# Altium PCB shield_io.PcbDoc (part 1 of 2)
Units mm, origin at the board's own origin, x right, y up, seen from the top; angles counter-clockwise.
Board outline 138.02 x 100.02 mm, 2 copper layers (Top Layer, Bottom Layer), stack 1.569 mm thick; 188 components, 241 nets, 637 pads, 193 vias.
Unrouted connection lines stored in the file: 73.
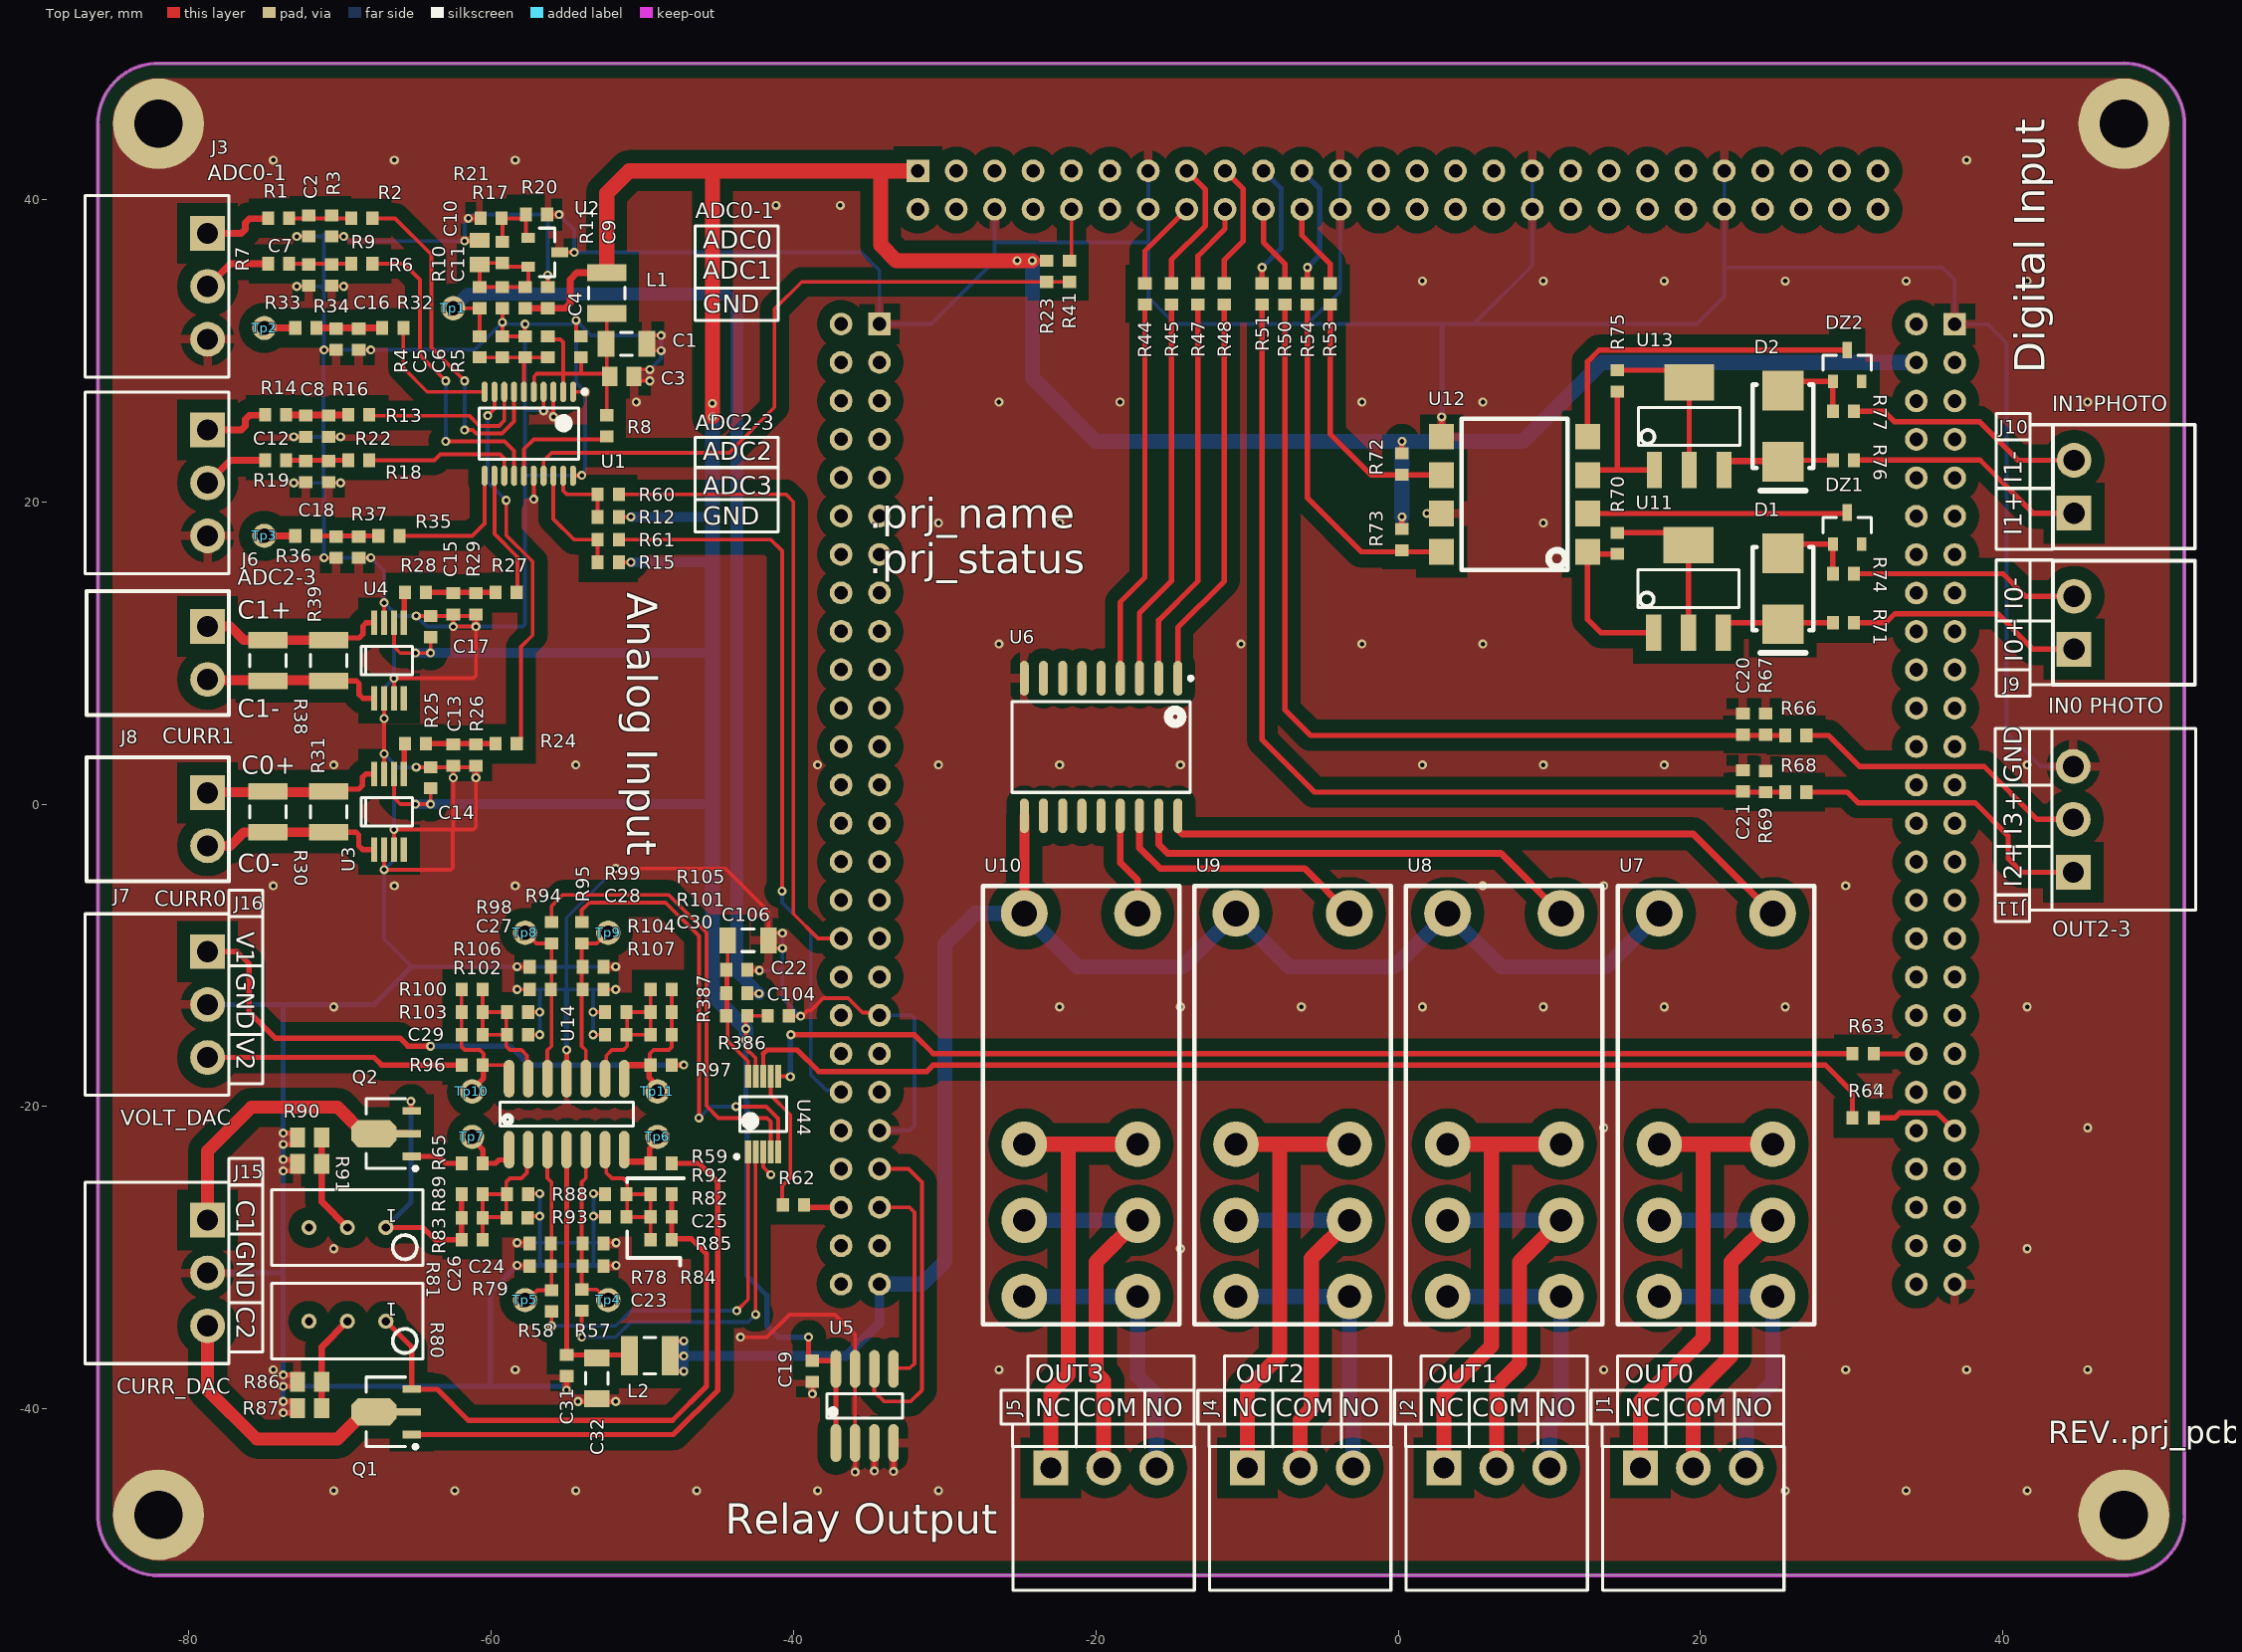
[diagram p0: Top Layer view]
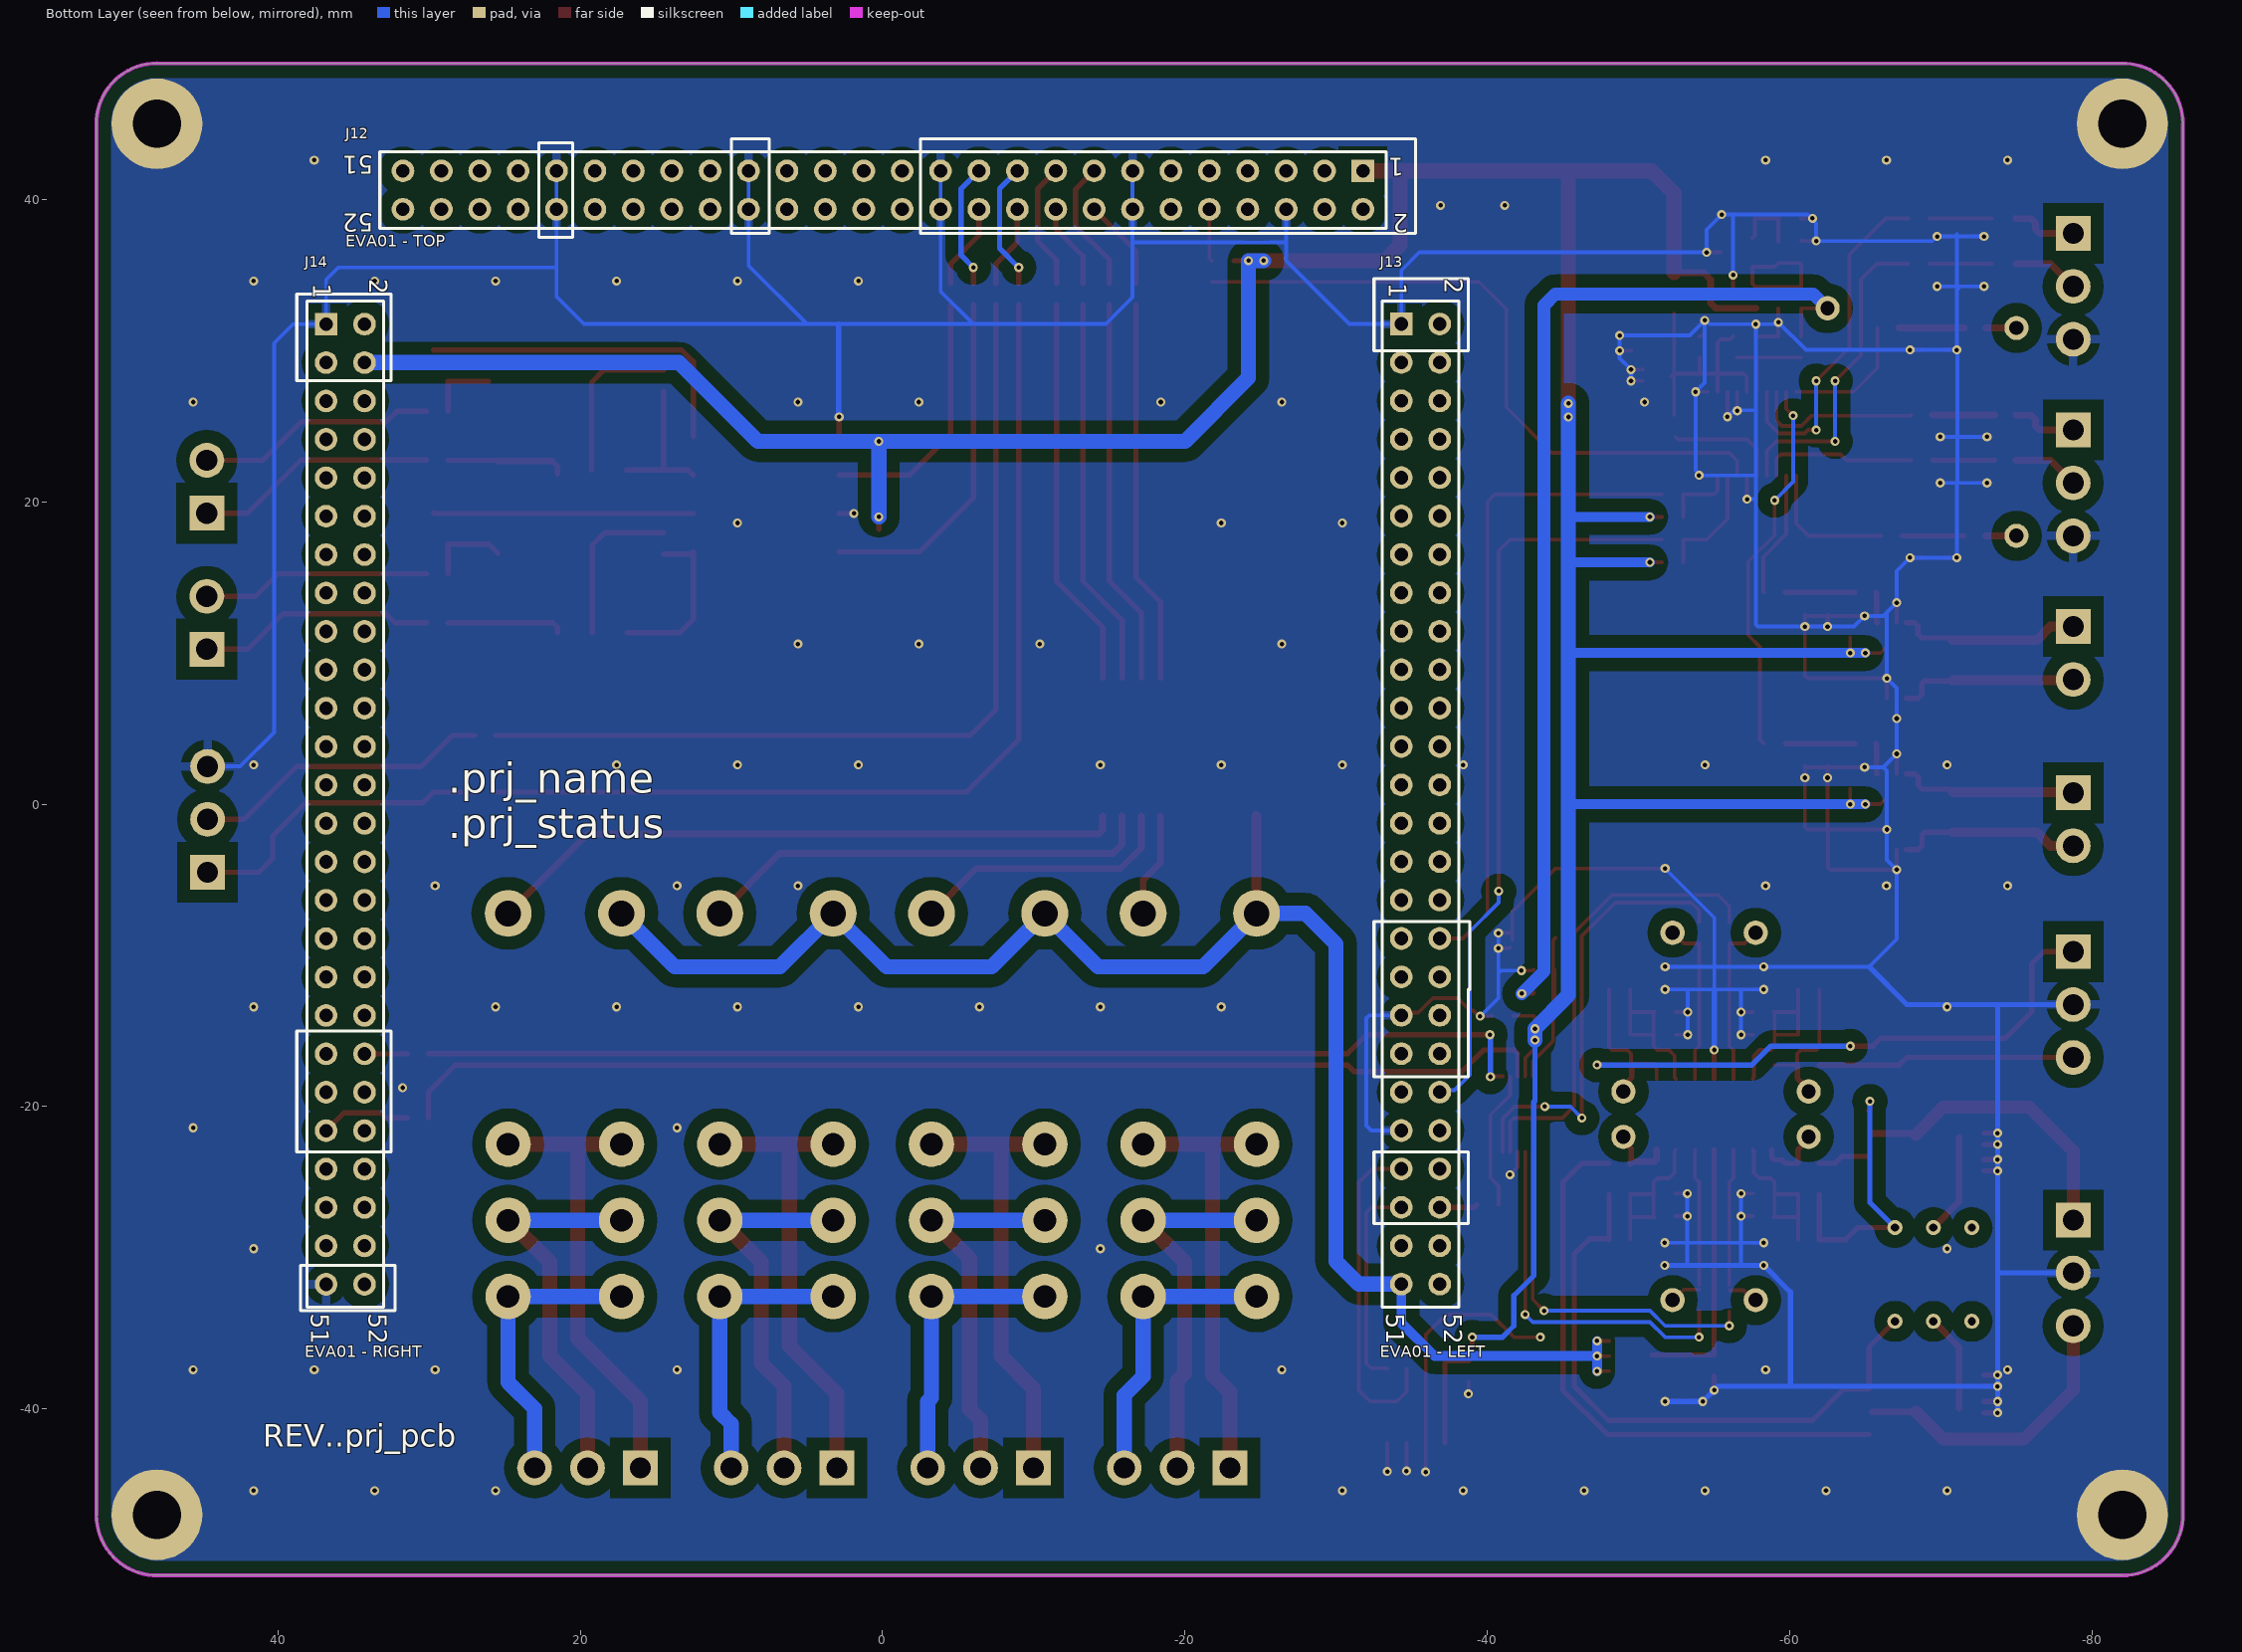
[diagram p1: Bottom Layer view, seen from below]

## Layer stack, top to bottom
Top Solder: solder mask 0.0254, SM-001, Dk 4
Top Layer: signal copper 0.035
Dielectric 1: core 1.4986, Core-043, Dk 4.3
Bottom Layer: signal copper 0.035
Bottom Solder: solder mask 0.0254, SM-001, Dk 4

## Board outline
-86,-47.255 -86,45 -86.008,45 cw(c-82,45) -82.255,49 48,49 48,49.008 cw(c48,45) 52,45.255 52,-47 52.008,-47 cw(c48,-47) 48.255,-51 -82,-51 -82,-51.008 cw(c-82,-47)

## Design rules (kind name [scope] priority, off if disabled: settings)
Clearance Clearance_poly [InPolygon and InNet('GND')] p1: gap=0.85 ignorepadtopadclearanceinfootprint=FALSE
Clearance Clearance_015 [InComponentClass('015')] p2: gap=0.1 ignorepadtopadclearanceinfootprint=FALSE
Clearance [All] p3: gap=0.25 ignorepadtopadclearanceinfootprint=FALSE
ComponentClearance ComponentClearance_logo [HasFootprint('Develer_logo_30x12mm_PCB_NOTE') vs HasFootprint('Develer_logo_30x12mm_TB_Top')] p1: gap=0 collisioncheckmode=3 verticalgap=0 showdistances=FALSE
ComponentClearance [All] p2: gap=0.25 collisioncheckmode=3 verticalgap=0.25 showdistances=FALSE
DiffPairsRouting [All] p1: maxlimit=0.25 minlimit=0.25 mostfreqgap=0.25 toplayer_minwidth=0.25 toplayer_maxwidth=0.25 toplayer_prefwidth=0.25 bottomlayer_minwidth=0.25 bottomlayer_maxwidth=0.25 bottomlayer_prefwidth=0.25 maxuncoupledlength=0.25
Height [All] p1: minheight=0 maxheight=25 prefheight=12.5
HoleSize [All] p1: absolutevalues=TRUE maxlimit=10 minlimit=0.2 maxpercent=80.000 minpercent=20.000
HoleToHoleClearance [All] p1: gap=0.25 allowstackedmicrovias=TRUE
MinimumSolderMaskSliver [All] p1: minsoldermaskwidth=0.15
PlaneClearance [All] p1: clearance=0.5
PlaneConnect PlaneConnect_via [isvia] p1: planeconnectstyle=Direct reliefexpansion=0.508 reliefentries=4 reliefconductorwidth=0.254 reliefairgap=0.254
PlaneConnect [All] p2: planeconnectstyle=Relief reliefexpansion=0.6 reliefentries=4 reliefconductorwidth=0.6 reliefairgap=0.3
PolygonConnect PolygonConnect_1 [(ObjectKind = 'Pad') And (Net = 'GND') And (Name = 'Free-Hole')] p1: connectstyle=Direct reliefconductorwidth=0.254 reliefentries=4 polygonreliefangle="90 Angle" airgapwidth=0.254
PolygonConnect PolygonConnect_via [isvia] p2: connectstyle=Direct reliefconductorwidth=0.254 reliefentries=4 polygonreliefangle="90 Angle" airgapwidth=0.254
PolygonConnect [All] p3: connectstyle=Relief reliefconductorwidth=0.6 reliefentries=4 polygonreliefangle="90 Angle" airgapwidth=0.6
RoutingCorners [All] p1: cornerstyle=45-Degree minsetback=2.5 maxsetback=2.5
RoutingVias [All] p1: holewidth=0.3 width=0.6 viastyle="Through Hole" minholewidth=0.2 minwidth=0.3 maxholewidth=0.5 maxwidth=1
SilkToSilkClearance [All] p1: silktosilkclearance=0.15
SilkToSolderMaskClearance [IsPad] p1: minsilkscreentomaskgap=0.15 clearancetoexposedcopper=TRUE
SolderMaskExpansion SolderMaskExpansion_via [isVia] p1: expansion=-10
SolderMaskExpansion [All] p2: expansion=0.05
UnRoutedNet [All] p1: checkbadconnections=TRUE
Width [All] p1: maxlimit=5 minlimit=0.15 preferedwidth=0.25
18 further rules are at their usual default settings.

## Classes and differential pairs
component class 015: U44
component class dac: C22 C23 C24 C25 C26 C27 C28 C29 C30 C31 C32 C104 C106 L2 Q1 Q2 R57 R58 R59 R65 R78 R79 R80 R81 R82 R83 R84 R85 R86 R87 R88 R89 R90 R91 R92 R93 R94 R95 R96 R97 R98 R99 R100 R101 R102 R103 R104 R105 R106 R107 R386 R387 Tp4 Tp5 Tp6 Tp7 Tp8 Tp9 Tp10 Tp11 U14 U44
net class Power: +3.3V +24V +VOP_DAC4 NetJ12_3
component class in_out: C20 C21 D1 D2 DZ1 DZ2 R66 R67 R68 R69 R70 R71 R72 R73 R74 R75 R76 R77 U6 U7 U8 U9 U10 U11 U12 U13
component class eva01_connectors: C19 J12 J13 J14 R41 R44 R45 R47 R48 R50 R51 R53 R54 R60 R61 R62 R63 R64 U5
component class connectors: J1 J2 J3 J4 J5 J6 J7 J8 J9 J10 J11 J15 J16
component class adc: C1 C2 C3 C4 C5 C6 C7 C8 C9 C10 C11 C12 C13 C14 C15 C16 C17 C18 L1 R1 R2 R3 R4 R5 R6 R7 R8 R9 R10 R11 R12 R13 R14 R15 R16 R17 R18 R19 R20 R21 R22 R23 R24 R25 R26 R27 R28 R29 R30 R31 R32 R33 R34 R35 R36 R37 R38 R39 Tp1 Tp2 Tp3 U1 U2 U3 U4

## Components (designator, comment, footprint, x,y, rotation, side; value= is the part's Value field where it differs from the comment)
C1 "10uF" 1206_[3216] -51.05,30.45 r180 top value=100pF
C2 "100nF" 0603_[1608] -72.05,38.25 r90 top value=100pF
C3 "10uF" 0805_[2012] -51.35,28.299 r0 top
C4 "100nF" 0603_[1608] -54.05,30.25 r270 top value=100pF
C5 "100nF" 0603_[1608] -59.25,30.25 r270 top value=100pF
C6 "1uF" 0603_[1608] -57.75,30.25 r270 top value=100pF
C7 "100nF" 0603_[1608] -72.05,35 r90 top value=100pF
C8 "100nF" 0603_[1608] -72.25,25 r90 top value=100pF
C9 "100nF" 0603_[1608] -56.25,33.5 r270 top
C10 "10uF" 0805_[2012] -60.75,36.5 r90 top
C11 "100nF" 0603_[1608] -59.25,33.5 r90 top value=100pF
C12 "100nF" 0603_[1608] -72.25,22 r90 top value=100pF
C13 "100nF" 0603_[1608] -62.5,3.25 r90 top value=100pF
C14 "100nF" 0603_[1608] -64,1.75 r270 top value=100pF
C15 "100nF" 0603_[1608] -62.5,13.25 r90 top value=100pF
C16 "100nF" 0603_[1608] -68.75,30.75 r90 top value=100pF
C17 "100nF" 0603_[1608] -64,11.75 r270 top value=100pF
C18 "100nF" 0603_[1608] -70.25,17 r90 top value=100pF
C19 "100nF" 0603_[1608] -38.75,-37.5 r90 top value=10nF
C20 "NP" 0603_[1608] 22.8,5.294 r270 top value=100pF
C21 "NP" 0603_[1608] 22.8,1.544 r270 top value=100pF
C22 "100nF" 0603_[1608] -43.75,-10.95 r0 top value=100pF
C23 "NP" 0603_[1608] -53.25,-30.55 r0 top value=100pF
C24 "NP" 0603_[1608] -56.75,-29.05 r180 top value=100pF
C25 "NP" 0603_[1608] -48.75,-27.3 r0 top value=100pF
C26 "NP" 0603_[1608] -61.25,-28.8 r180 top value=100pF
C27 "NP" 0603_[1608] -56.75,-12.25 r180 top value=100pF
C28 "NP" 0603_[1608] -53.25,-12.25 r0 top value=100pF
C29 "NP" 0603_[1608] -61.25,-15.25 r180 top value=100pF
C30 "NP" 0603_[1608] -48.75,-15.25 r0 top value=100pF
C31 "100nF" 0603_[1608] -55,-37.125 r270 top value=100pF
C32 "10uF" 1206_[3216] -53,-37.968 r90 top value=100pF
C104 "100nF" 0603_[1608] -41,-14 r180 top value=100pF
C106 "10uF" 1206_[3216] -43,-9 r180 top value=100pF
D1 "S2B" DO214AA_K1-A2_SMB 25.45,14.25 r90 top
D2 "S2B" DO214AA_K1-A2_SMB 25.45,25 r90 top
DZ1 "BZX84-C2V7" SOT-23 29.7,18.25 r90 top
DZ2 "BZX84-C2V7" SOT-23 29.7,29 r90 top
J1 "OUT0" TBLOCK_1X3_3.5MM_HOR_THD 19.52,-43.893 r0 top
J2 "OUT1" TBLOCK_1X3_3.5MM_HOR_THD 6.52,-43.893 r0 top
J3 "ADC0-1" TBLOCK_1X3_3.5MM_HOR_THD -78.75,34.25 r270 top
J4 "OUT2" TBLOCK_1X3_3.5MM_HOR_THD -6.48,-43.893 r0 top
J5 "OUT3" TBLOCK_1X3_3.5MM_HOR_THD -19.48,-43.893 r0 top
J6 "ADC2-3" TBLOCK_1X3_3.5MM_HOR_THD -78.75,21.25 r270 top
J7 "CURR0" TBLOCK_1X2_3.5MM_HOR_THD -78.75,-1 r270 top
J8 "CURR1" TBLOCK_1X2_3.5MM_HOR_THD -78.75,10 r270 top
J9 "IN0 PHOTO" TBLOCK_1X2_3.5MM_HOR_THD 44.7,12 r90 top
J10 "IN1 PHOTO" TBLOCK_1X2_3.5MM_HOR_THD 44.7,21 r90 top
J11 "OUT2-3" TBLOCK_1X3_3.5MM_HOR_THD 44.65,-1 r90 top
J12 "EVA01 - TOP" SOCKET_2x26_2.54MM_THD -0.02,40.619 r0 bottom
J13 "EVA01 - LEFT" SOCKET_2x26_2.54MM_THD -35.578,0.01 r270 bottom
J14 "EVA01 - RIGHT" SOCKET_2x26_2.54MM_THD 35.542,0 r270 bottom
J15 "CURR_DAC" TBLOCK_1X3_3.5MM_HOR_THD -78.75,-31 r270 top
J16 "VOLT_DAC" TBLOCK_1X3_3.5MM_HOR_THD -78.75,-13.25 r270 top
L1 "10uH" 1210_[3225] -52.35,33.8 r270 top value=10mH
L2 "10uH" 1210_[3225] -49.5,-36.468 r180 top value=10mH
logo "Comment" DEVELER_TB_TOP 102,-119 r0 top
logo "Comment" DEVELER_PCB_NOTE 102,-119 r0 top
logo "Comment" DEVELER_TB_TOP -78,-119 r180 top
Q1 "FCX690BTA" SOT-89 -66.95,-40.19 r180 top
Q2 "FCX690BTA" SOT-89 -66.95,-21.79 r180 top
R1 "0R" 0603_[1608] -74.05,38.75 r0 top value=1K
R2 "33R" 0603_[1608] -68.55,38.75 r180 top
R3 "NP" 0603_[1608] -70.55,38.25 r270 top
R4 "NP" 0603_[1608] -60.75,30.25 r90 top
R5 "NP" 0603_[1608] -56.25,30.25 r90 top
R6 "33R" 0603_[1608] -68.55,35.75 r180 top
R7 "0R" 0603_[1608] -74.05,35.75 r0 top
R8 "0R" 0603_[1608] -52.35,25.025 r90 top
R9 "NP" 0603_[1608] -70.55,35 r270 top
R10 "0R" 0603_[1608] -60.75,33.5 r270 top
R11 "33R" 0603_[1608] -57.75,33.5 r270 top
R12 "10k" 0603_[1608] -52.25,19 r0 top
R13 "33R" 0603_[1608] -68.75,25.75 r180 top
R14 "0R" 0603_[1608] -74.25,25.75 r0 top
R15 "10k" 0603_[1608] -52.25,16 r0 top
R16 "NP" 0603_[1608] -70.75,25 r270 top
R17 "10K 1%" 0603_[1608] -59.25,36.5 r90 top
R18 "33R" 0603_[1608] -68.75,22.75 r180 top
R19 "0R" 0603_[1608] -74.25,22.75 r0 top
R20 "47K 1%" 0603_[1608] -57,39 r0 top
R21 "8K2 1%" 0603_[1608] -60,38.75 r0 top
R22 "NP" 0603_[1608] -70.75,22 r270 top
R23 "1k" 0603_[1608] -23.25,35.25 r90 top
R24 "33R" 0603_[1608] -59,4 r180 top
R25 "0R" 0603_[1608] -65,4 r0 top
R26 "NP" 0603_[1608] -61,3.25 r270 top
R27 "33R" 0603_[1608] -59,14 r180 top
R28 "0R" 0603_[1608] -65,14 r0 top
R29 "NP" 0603_[1608] -61,13.25 r270 top
R30 "50 mOhm 1%" 1210_[3225] -74.75,-0.5 r90 top
R31 "50 mOhm 1%" 1210_[3225] -70.75,-0.5 r90 top
R32 "33R" 0603_[1608] -66.5,31.5 r180 top
R33 "0R" 0603_[1608] -72.25,31.5 r0 top
R34 "NP" 0603_[1608] -70.25,30.75 r270 top
R35 "33R" 0603_[1608] -66.75,17.75 r180 top
R36 "0R" 0603_[1608] -72.25,17.75 r0 top
R37 "NP" 0603_[1608] -68.75,17 r270 top
R38 "50 mOhm 1%" 1210_[3225] -74.75,9.5 r90 top
R39 "50 mOhm 1%" 1210_[3225] -70.75,9.5 r90 top
R41 "33R" 0603_[1608] -21.75,35.25 r270 top
R44 "33R" 0603_[1608] -16.75,33.75 r270 top
R45 "33R" 0603_[1608] -15,33.75 r90 top
R47 "33R" 0603_[1608] -13.25,33.75 r270 top
R48 "33R" 0603_[1608] -11.5,33.75 r90 top
R50 "33R" 0603_[1608] -7.5,33.75 r270 top
R51 "33R" 0603_[1608] -9,33.75 r90 top
R53 "33R" 0603_[1608] -4.5,33.75 r270 top
R54 "33R" 0603_[1608] -6,33.75 r90 top
R57 "0R" 0603_[1608] -54,-32.8 r90 top
R58 "0R" 0603_[1608] -56,-32.85 r90 top
R59 "33R" 0603_[1608] -48.75,-23.75 r180 top
R60 "33R" 0603_[1608] -52.25,20.5 r180 top
R61 "33R" 0603_[1608] -52.25,17.5 r180 top
R62 "33R" 0603_[1608] -40,-26.5 r180 top
R63 "33R" 0603_[1608] 30.75,-16.5 r180 top
R64 "33R" 0603_[1608] 30.75,-20.75 r0 top
R65 "33R" 0603_[1608] -61.25,-23.75 r0 top
R66 "1k" 0603_[1608] 26.3,4.544 r180 top
R67 "NP" 0603_[1608] 24.3,5.294 r270 top
R68 "1k" 0603_[1608] 26.3,0.794 r180 top
R69 "NP" 0603_[1608] 24.3,1.494 r270 top
R70 "220R" 0603_[1608] 14.5,17.25 r90 top
R71 "22R" 0603_[1608] 29.45,12 r0 top
R72 "1k" 0603_[1608] 0.25,22.5 r90 top
R73 "1k" 0603_[1608] 0.25,17.5 r90 top
R74 "22R" 0603_[1608] 29.45,15.25 r0 top
R75 "220R" 0603_[1608] 14.5,28 r90 top
R76 "22R" 0603_[1608] 29.45,22.75 r0 top
R77 "22R" 0603_[1608] 29.45,26 r0 top
R78 "NP" 0603_[1608] -53.25,-29.05 r0 top
R79 "NP" 0603_[1608] -56.75,-30.55 r180 top
R80 "220R" TRIMMER_THD_5x10MM_HORIZONTAL -69.5,-34.2 r180 top
R81 "220R" TRIMMER_THD_5x10MM_HORIZONTAL -69.5,-28 r180 top
R82 "NP" 0603_[1608] -48.75,-25.8 r180 top
R83 "NP" 0603_[1608] -61.25,-27.35 r0 top
R84 "NP" 0603_[1608] -51.75,-27.3 r180 top
R85 "0R" 0603_[1608] -48.75,-28.8 r180 top
R86 "100R 0.1%" 0805_[2012] -72,-38.2 r0 top
R87 "NP" 0805_[2012] -72,-39.95 r0 top
R88 "NP" 0603_[1608] -58.25,-25.8 r0 top
R89 "0R" 0603_[1608] -61.25,-25.8 r0 top
R90 "NP" 0805_[2012] -72,-22.04 r0 top
R91 "100R 0.1%" 0805_[2012] -72,-23.79 r0 top
R92 "NP" 0603_[1608] -51.75,-25.8 r180 top
R93 "NP" 0603_[1608] -58.275,-27.35 r0 top
R94 "0R" 0603_[1608] -56,-8.5 r270 top
R95 "0R" 0603_[1608] -54,-8.5 r270 top
R96 "33R" 0603_[1608] -61.25,-17.25 r0 top
R97 "33R" 0603_[1608] -48.75,-17.25 r180 top
R98 "NP" 0603_[1608] -56.75,-10.75 r180 top
R99 "NP" 0603_[1608] -53.25,-10.75 r0 top
R100 "NP" 0603_[1608] -61.25,-12.25 r0 top
R101 "NP" 0603_[1608] -48.75,-13.75 r180 top
R102 "NP" 0603_[1608] -58.25,-15.25 r0 top
R103 "0R" 0603_[1608] -61.25,-13.75 r0 top
R104 "NP" 0603_[1608] -51.75,-13.75 r180 top
R105 "0R" 0603_[1608] -48.75,-12.25 r180 top
R106 "NP" 0603_[1608] -58.25,-13.75 r0 top
R107 "NP" 0603_[1608] -51.75,-15.25 r180 top
R386 "NP" 0603_[1608] -43.75,-14 r0 top
R387 "0R" 0603_[1608] -43.75,-12.5 r180 top
Tp1 "VREF_ADC" TEST_POINT_THD_D1.6MM -62.5,32.8 r0 top
Tp2 "Test_point" TEST_POINT_THD_D1.6MM -75,31.5 r90 top
Tp3 "Test_point" TEST_POINT_THD_D1.6MM -75,17.75 r90 top
Tp4 "DAC_OUT" TEST_POINT_THD_D1.6MM -52.25,-32.8 r270 top
Tp5 "DAC_OUT" TEST_POINT_THD_D1.6MM -57.75,-32.8 r270 top
Tp6 "DAC_OUT_OP" TEST_POINT_THD_D1.6MM -49,-22 r180 top
Tp7 "DAC_OUT_OP" TEST_POINT_THD_D1.6MM -61.25,-22 r180 top
Tp8 "DAC_OUT" TEST_POINT_THD_D1.6MM -57.75,-8.5 r90 top
Tp9 "DAC_OUT" TEST_POINT_THD_D1.6MM -52.25,-8.5 r90 top
Tp10 "DAC_OUT_OP" TEST_POINT_THD_D1.6MM -61.25,-19 r180 top
Tp11 "DAC_OUT_OP" TEST_POINT_THD_D1.6MM -49,-19 r180 top
U1 "AD7998BRU" TSOP65P640X120-20L -57.5,24.5 r270 top
U2 "TLV431 SOT23" SOT-23 -56.5,36.5 r0 top
U3 "AD8418BRMZ" MSOP65P490X110-8P -66.75,-0.5 r90 top
U4 "AD8418BRMZ" MSOP65P490X110-8P -66.75,9.5 r90 top
U5 "24C128" SOIC8 -35.285,-39.8 r90 top
U6 "ULN2803" SOIC18 -19.65,3.78 r270 top
U7 "GEN4" relays_spco_thd_28x12mm_5mm 21.02,-19.893 r90 top
U8 "GEN5" relays_spco_thd_28x12mm_5mm 7.02,-19.893 r90 top
U9 "GEN6" relays_spco_thd_28x12mm_5mm -6.98,-19.893 r90 top
U10 "GEN7" relays_spco_thd_28x12mm_5mm -20.98,-19.893 r90 top
U11 "LM317D" SOT-223 19.2,14.25 r90 top
U12 "ACPL-827" SOIC8_OPTO 7.7,20.5 r270 top
U13 "LM317D" SOT-223 19.25,25 r90 top
U14 "OPA4188AID" SOIC14 -55,-20.5 r90 top
U44 "AD5624RBRMZ" MSOP50P490X110-10P -42,-20.5 r90 top

## Footprints (in the part's own frame and the unit in brackets; to place one, negate y for a bottom-side part, rotate by r counter-clockwise, add the part's x,y. Pads: shape width x height; smd on the part's side, far side on the other; paste and mask are expansions set on the pad)
0603_[1608] [mm] "Chip Capacitor, Body 1.6x0.8mm, IPC High Density"
  rect 0.8x0.9 smd: 1(-0.7,0) 2(0.7,0)
  body extent -0.75,-0.4 0.75,0.4, height 0.67
0805_[2012] [mm] "Chip Resistor, Body 2.0x1.2mm, IPC High Density"
  rect 1x1.3 smd: 1(-0.8,0) 2(0.8,0)
  body extent -1,-0.6 1,0.6, height 0.62
1206_[3216] [mm] "Chip Capacitor, Body 3.2x1.6mm, IPC High Density"
  rect 1.1x1.7 smd: 1(-1.35,0) 2(1.35,0)
  silkscreen extent -0.4,-0.75 0.4,0.75, body extent -1.7,-0.9 1.7,0.9, height 1.3
1210_[3225] [mm] "Chip Resistor, Body 3.2x2.5mm, IPC High Density"
  rect 1.1x2.6 smd: 1(-1.35,0) 2(1.35,0)
  silkscreen extent -0.4,-1.2 0.4,1.2, body extent -1.6,-1.25 1.6,1.25, height 1.7
DEVELER_PCB_NOTE [mm]
DEVELER_TB_TOP [mm]
DO214AA_K1-A2_SMB [mil]
  rect 103x108 smd: 1(-92.5,0) 2(92.5,0)
  silkscreen extent -167,-79 108,79, body extent -110,-78 110,78, height 106
MSOP50P490X110-10P [mm] "TSSOP, 10-Leads, Body 3,00x3,00mm, Pitch 0,50mm, IPC Medium Density"
  rect 1.5x0.4 smd mask+0.05: 1(-2.5,1) 2(-2.5,0.5) 3(-2.5,0) 4(-2.5,-0.5) 5(-2.5,-1) 6(2.5,-1) 7(2.5,-0.5) 8(2.5,0) 9(2.5,0.5) 10(2.5,1)
  silkscreen extent -2.92,-1.55 1.15,1.87, body extent -2.45,-1.55 2.45,1.55, height 1.1
MSOP65P490X110-8P [mm] "TSOP, 8-Leads, Body 3x3mm, Pitch 0.65mm, IPC High Density"
  rect 1.6x0.4 smd: 1(-2.5,0.975) 2(-2.5,0.325) 3(-2.5,-0.325) 4(-2.5,-0.975) 5(2.5,-0.975) 6(2.5,-0.325) 7(2.5,0.325) 8(2.5,0.975)
  silkscreen extent -0.95,-1.55 0.95,1.85, body extent -2.5,-1.5 2.5,1.5, height 0.92
relays_spco_thd_28x12mm_5mm [mm] "Relays SPCO thd 28x12x16mm"
  round 3 hole 1.5: COM1(-7.63,3.75) COM2(-7.63,-3.75) NC1(-2.59,3.75) NC2(-2.59,-3.75) NO1(-12.67,3.75) NO2(-12.67,-3.75)
  round 3.1 hole 1.7: T1(12.67,3.75) T2(12.67,-3.75)
  silkscreen extent -14.5,-6.5 14.5,6.5, body extent -14.3,-6.3 14.3,6.3, height 10
SOCKET_2x26_2.54MM_THD [mm]
  rect 1.5x1.5 hole 0.9: 1(-31.75,-1.27)
  round 1.5 hole 0.9: 2(-31.75,1.27) 3(-29.21,-1.27) 4(-29.21,1.27) 5(-26.67,-1.27) 6(-26.67,1.27) 7(-24.13,-1.27) 8(-24.13,1.27) 9(-21.59,-1.27) 10(-21.59,1.27) 11(-19.05,-1.27) 12(-19.05,1.27) 13(-16.51,-1.27) 14(-16.51,1.27) 15(-13.97,-1.27) 16(-13.97,1.27) 17(-11.43,-1.27) 18(-11.43,1.27) 19(-8.89,-1.27) 20(-8.89,1.27) 21(-6.35,-1.27) 22(-6.35,1.27) 23(-3.81,-1.27) 24(-3.81,1.27) 25(-1.27,-1.27) 26(-1.27,1.27) 27(1.27,-1.27) 28(1.27,1.27) 29(3.81,-1.27) 30(3.81,1.27) 31(6.35,-1.27) 32(6.35,1.27) 33(8.89,-1.27) 34(8.89,1.27) 35(11.43,-1.27) 36(11.43,1.27) 37(13.97,-1.27) 38(13.97,1.27) 39(16.51,-1.27) 40(16.51,1.27) 41(19.05,-1.27) 42(19.05,1.27) 43(21.59,-1.27) 44(21.59,1.27) 45(24.13,-1.27) 46(24.13,1.27) 47(26.67,-1.27) 48(26.67,1.27) 49(29.21,-1.27) 50(29.21,1.27) 51(31.75,-1.27) 52(31.75,1.27)
  silkscreen extent -33.27,-2.54 33.27,2.54, body extent -33.26,-2.54 33.26,2.54, height 8.55
SOIC8 [mm] "SOIC, 8-Leads, Body 4.9x3.8mm, Pitch 1.27mm, IPC Low Density"
  oval 2.5x0.7 smd: 1(-2.45,1.905) 2(-2.45,0.635) 3(-2.45,-0.635) 4(-2.45,-1.905) 5(2.45,-1.905) 6(2.45,-0.635) 7(2.45,0.635) 8(2.45,1.905)
  silkscreen extent -0.8,-2.5 0.8,2.5, body extent -2,-2.5 2,2.5, height 1.75
SOIC8_OPTO [mm]
  rect 1.7x1.65 smd: 1(3.81,4.826) 2(1.27,4.826) 3(-1.27,4.826) 4(-3.81,4.826) 5(-3.81,-4.826) 6(-1.27,-4.826) 7(1.27,-4.826) 8(3.81,-4.826)
  silkscreen extent -5,-3.5 5,3.5, body extent -4.9,-4.75 5,5.15, height 4.35
SOIC14 [mm] "SOIC, 14-Leads, Body 8.7x3.9mm, Pitch 1.27mm, IPC High Density"
  oval 2.5x0.7 smd: 1(-2.35,3.81) 2(-2.35,2.54) 3(-2.35,1.27) 4(-2.35,0) 5(-2.35,-1.27) 6(-2.35,-2.54) 7(-2.35,-3.81) 8(2.35,-3.81) 9(2.35,-2.54) 10(2.35,-1.27) 11(2.35,0) 12(2.35,1.27) 13(2.35,2.54) 14(2.35,3.81)
  silkscreen extent -0.8,-4.4 0.8,4.4, body extent -2,-4.38 2,4.38, height 1.75
SOIC18 [mm] "SOIC, 18-Leads, Body 11.5x7.5mm, Pitch 1.27mm, IPC Medium Density"
  oval 2.3x0.6 smd: 1(-4.55,5.08) 2(-4.55,3.81) 3(-4.55,2.54) 4(-4.55,1.27) 5(-4.55,0) 6(-4.55,-1.27) 7(-4.55,-2.54) 8(-4.55,-3.81) 9(-4.55,-5.08) 10(4.55,-5.08) 11(4.55,-3.81) 12(4.55,-2.54) 13(4.55,-1.27) 14(4.55,0) 15(4.55,1.27) 16(4.55,2.54) 17(4.55,3.81) 18(4.55,5.08)
  silkscreen extent -4.67,-5.9 3,6.06, body extent -3.8,-5.95 3.8,5.95, height 2.65
SOT-23 [mm] "SOT23, 3-Leads, Body 2.9x1.3mm, Pitch 0.95mm, Lead Span 2.5mm, IPC High Density"
  rect 0.9x0.65 smd: 1(-1.038,0.95) 2(-1.038,-0.95)
  rect 1.1x0.65 smd: 3(1.038,0)
  silkscreen extent -0.3,-1.6 0.7,1.6, body extent -1.2,-1.52 1.2,1.52, height 1.22
SOT-89 [mm] "SOT89, 3-Leads, Body 4.5x2.4 mm, Pitch 1.5mm, Lead Span 4.1mm, IPC High Density"
  rect 1.2x0.5 smd: 1(-1.7,1.5) 3(-1.7,-1.5)
  rect 1.6x0.5 smd: 2(-1.5,0)
  oct 3x1.8 smd: 2(0.8,0)
  silkscreen extent -2.08,-2.3 1.3,2.42, body extent -1.3,-2.3 1.3,2.3, height 1.6
SOT-223 [mm] "SOT223, 4-Leads, Body 6.5x3.5mm, Pitch 2.3mm, Lead Span 7mm, IPC Medium Density"
  rect 2.4x1 smd: 1(-2.9,2.3) 2(-2.9,0) 3(-2.9,-2.3)
  rect 2.4x3.3 smd: 4(2.9,0)
  silkscreen extent -1.25,-3.35 1.25,3.35, body extent -1.85,-3.35 1.85,3.35, height 1.8
TBLOCK_1X2_3.5MM_HOR_THD [mm] "3,50mm - PCB Horizontal - 02p"
  rect 2.3x2.3 hole 1.4: 1(-1.75,0)
  round 2.3 hole 1.4: 2(1.75,0)
  silkscreen extent -4.1,-8 4.1,1.4, body extent -4.05,-8 4.05,1.2, height 7.21
TBLOCK_1X3_3.5MM_HOR_THD [mm] "3,50mm - PCB Horizontal - 03p"
  rect 2.3x2.3 hole 1.4: 1(-3.5,0)
  round 2.3 hole 1.4: 2(0,0) 3(3.5,0)
  silkscreen extent -6,-8.1 6,1.4, body extent -6,-8 6,1.2, height 7.31
TEST_POINT_THD_D1.6MM [mm] "Test point D=1.6MM"
  round 1.6 hole 0.95 paste-10 mask+0.05: 1(0,0)
TRIMMER_THD_5x10MM_HORIZONTAL [mm]
  round 1 hole 0.55: 1(-2.54,0) 2(0,0) 3(2.54,0)
  silkscreen extent -5,-2.5 5,2.5, body extent -4.77,-2.41 4.76,2.42, height 11.6
TSOP65P640X120-20L [mm] "TSOP, 20-Leads, Body 6,50x4,35mm, Pitch 0,65mm, IPC High Density"
  oval 1.35x0.4 smd: 1(-2.775,2.925) 2(-2.775,2.275) 3(-2.775,1.625) 4(-2.775,0.975) 5(-2.775,0.325) 6(-2.775,-0.325) 7(-2.775,-0.975) 8(-2.775,-1.625) 9(-2.775,-2.275) 10(-2.775,-2.925) 11(2.775,-2.925) 12(2.775,-2.275) 13(2.775,-1.625) 14(2.775,-0.975) 15(2.775,-0.325) 16(2.775,0.325) 17(2.775,0.975) 18(2.775,1.625) 19(2.775,2.275) 20(2.775,2.925)
  silkscreen extent -2.9,-3.3 1.7,3.8, body extent -2.1,-3.3 2.1,3.3, height 1.2

## Part data
C1 C32 C106: library part Cap, "Ceramic X7R 25V", LatestRevisionDate=17-Jul-2002, LatestRevisionNote="Re-released for DXP Platform.", PackageDescription="Radial Cap, Thru-Hole; 2 Leads; 0.3 in Pin Spacing", PackageReference=RAD-0.3, Published=8-Jun-2000, Publisher="Altium Limited"
C2 C4 C5 C7 C8 C9 C11 C12 C13 C14 C15 C16 C17 C18 C19 C20 C21 C22 C23 C24 C25 C26 C27 C28 C29 C30 C31 C104: library part Cap, "Ceramic X7R 50V", Published=8-Jun-2000, Publisher="Altium Limited"
  C2 C4 C5 C7 C8 C9 C11 C12 C13 C14 C15 C16 C17 C18 C20 C21 C22 C23 C24 C25 C26 C27 C28 C29 C30 C31 C104: LatestRevisionDate=17-Jul-2002, LatestRevisionNote="Re-released for DXP Platform.", PackageDescription="Radial Cap, Thru-Hole; 2 Leads; 0.3 in Pin Spacing", PackageReference=RAD-0.3
  C19: Revision="July-2002: Re-released for DXP Platform."
C3 C10: library part "Cap Pol1", "Ceramic X5R 10V", Published=8-Jun-2000, Publisher="Altium Limited", Revision="July-2002: Re-released for DXP Platform."
C6: library part Cap, "Ceramic X5R 25V", LatestRevisionDate=17-Jul-2002, LatestRevisionNote="Re-released for DXP Platform.", PackageDescription="Radial Cap, Thru-Hole; 2 Leads; 0.3 in Pin Spacing", PackageReference=RAD-0.3, Published=8-Jun-2000, Publisher="Altium Limited"
D1 D2: library part Diode, "S2B Diode"
DZ1 DZ2: library part ZENER_BZX, "Zener 2,7V"
J1 J2 J3 J4 J5 J6 J11 J15 J16: library part "Header 3", "Terminal block Header 3.5mm Horizonta", LatestRevisionDate=17-Jul-2002, LatestRevisionNote="Re-released for DXP Platform.", Publisher="Altium Limited"
J7 J8 J9 J10: library part "Header 2", "Terminal block Header 3.5mm Horizontal (WE 691322110002)", LatestRevisionDate=17-Jul-2002, LatestRevisionNote="Re-released for DXP Platform.", Publisher="Altium Limited"
J12 J13 J14: library part "Header 26x2", "Socket Header, 52 pin, 26x2, 2.54mm, H=8.5mm", Part Number="Tyco 1-1634688", Purchase Code="RS 473-8254"
L1 L2: library part Inductor, "INDUCTOR, 1210 CASE, 10.0UH (ELJPA100KF)", Code_IEC=1005, Code_JEITA=0402, LatestRevisionDate=29-May-2009, LatestRevisionNote="IPC-7351 Footprint Added.", PackageDescription="Chip Inductor", PackageReference=0402-A, Published=8-Jun-2000, Publisher="Altium Limited"
Q1 Q2: library part NPN, "NPN Bipolar Transistor", Code_JEDEC=TO-226-AA, LatestRevisionDate=17-Jul-2002, LatestRevisionNote="Re-released for DXP Platform.", PackageDescription="TO, Flat Index; 3 In-Line, Axial Leads; Body Dia. 4.8mm; Leads 0.55 x 0.51 mm (max)", PackageReference=TO-226-AA, Published=8-Jun-2000, Publisher="Altium Limited"
R1 R2 R3 R4 R5 R6 R7 R8 R9 R10 R11 R12 R13 R14 R15 R16 R17 R18 R19 R20 R21 R22 R23 R24 R25 R26 R27 R28 R29 R30 R31 R32 R33 R34 R35 R36 R37 R38 R39 R41 R44 R45 R47 R48 R50 R51 R53 R54 R57 R58 R59 R60 R61 R62 R63 R64 R65 R66 R67 R68 R69 R70 R71 R72 R73 R74 R75 R76 R77 R78 R79 R82 R83 R84 R85 R86 R87 R88 R89 R90 R91 R92 R93 R94 R95 R96 R97 R98 R99 R100 R101 R102 R103 R104 R105 R106 R107 R386 R387: library part Res1, "Resistor"
  R1: Published=8-Jun-2000, Publisher="Altium Limited", Revision="July-2002: Re-released for DXP Platform."
  R2 R4 R5 R6 R8 R10 R11 R13 R17 R18 R20 R21 R24 R27 R32 R35: LatestRevisionDate=17-Jul-2002, LatestRevisionNote="Re-released for DXP Platform.", PackageDescription="Axial Device, Thru-Hole; 2 Leads; 0.3 in Pin Spacing", PackageReference=AXIAL-0.3, Published=8-Jun-2000, Publisher="Altium Limited"
  R3 R7 R9 R12 R14 R15 R16 R19 R22 R23 R25 R26 R28 R29 R30 R31 R33 R34 R36 R37 R38 R39 R41 R44 R45 R47 R48 R50 R51 R53 R54 R57 R58 R59 R60 R61 R62 R63 R64 R65 R66 R67 R68 R69 R70 R71 R72 R73 R74 R75 R76 R77 R78 R79 R82 R83 R84 R85 R86 R87 R88 R89 R90 R91 R92 R93 R94 R95 R96 R97 R98 R99 R100 R101 R102 R103 R104 R105 R106 R107 R386 R387: Revision="July-2002: Re-released for DXP Platform."
R80 R81: library part Trimmer_3p, "Trimmer 23 Turn 220ohm (T93YA221KT20;)"
Tp1 Tp4 Tp5 Tp6 Tp7 Tp8 Tp9 Tp10 Tp11: library part Test_point, "Test point"
Tp2 Tp3: "Test point"
U1: library part AD799x, "ADC 12bit I2C"
U2: library part "TLV431 3pin", "TLV431BQDBZT"
U3 U4: library part AD8414, "12bit DAC"
U5: library part EEPROM-SOIC8, "EEPROM"
U6: "BJT Darlinton Array"
U7 U8 U9 U10: library part "Relay SPCO_8pin", "Rele NT75CS16DC12V0.415.0 16A 12V"
U11 U13: library part LM317, "3-Terminal Adjustable Regulator, 3-pin SOT-223", case=THD
U12: library part "optocoupler 2ch", "Optocoupler"
U14: library part OpAmp, "Quad Op Amp"
U44: library part AD5624R_BRMZ_MSOP, "12bit DAC"

## Free pads (board coordinates)
  round 6 hole 3.2: Hole(-82,-47) Hole(-82,45) Hole(48,-47) Hole(48,45)

## Via types
v1: diameter 0.6, hole 0.3, Top Layer to Bottom Layer, tented both sides, 122 vias
v2: diameter 0.6, hole 0.3, Top Layer to Bottom Layer, 71 vias

## Nets (pads, with @x,y where several pads share a name; then routed paths per layer and width w, separated by ;. In a path a pad name is that pad's centre, name@x,y a point inside that pad or via, vN(x,y) a via of type N, cw(c..) or ccw(c..) an arc to the next point about the centre after c; other vN are vias at no path point)
+3.3V: C9.2 C14.2 C17.2 C19.2 C104.2 J12.1 J14.4 L1.1 R11.2 R12.2 R15.2 R23.2 R72.2 R73.2 R386.2 U3.6 U4.6 U5.1 U5.8 U44.9 | length 286.3
  Top Layer w0.25: U3.6@-66.425,2 -66.425,0.425 -66,0 v1(-65,0) v1(-64,0) C14.2@-64,1.05 ; U4.6@-66.425,12 -66.425,10.425 -66,10 v1(-64,10) C17.2@-64,11.05 ; R15.2@-51.55,16 v1(-50.75,16) ; R12.2@-51.55,19 v1(-50.75,19) ; U44.9@-42.5,-18 -42.5,-16.793 -43.146,-16.146 v1(-43.146,-15.604) v1(-43.146,-14.854) -43.146,-14.097 R386.2@-43.05,-14 C104.2@-41.7,-14
  Top Layer w0.35: v1(-39,-35.25) -39,-36.575 -38.775,-36.8 C19.2@-38.75,-36.8 -37.352,-36.8 -37.19,-36.962 U5.8@-37.19,-37.35 U5.1@-37.19,-42.25 ; v1(-24.2,35.95) R23.2@-23.25,35.95 ; R73.2@0.25,18.2 v1(0.25,19) ; R72.2@0.25,23.2 v1(0.25,24)
  Top Layer w0.45: R11.2@-57.75,32.8 C9.2@-56.25,32.8 -55.113,32.8 -54.775,33.138 -54.775,34.7 -54.325,35.15 L1.1@-52.35,35.15
  Top Layer w1: L1.1@-52.35,35.15 -52.35,40.4 -50.861,41.889 -45.361,41.889 ; v1(-45.361,25.611) v1(-45.361,26.512) -45.361,41.889 ; J12.1@-31.77,41.889 -34.238,41.889 ; v1(-24.2,35.95) v1(-25.2,35.95) -33.2,35.95 -34.238,36.988 -34.238,41.889 ; -45.361,41.889 -34.238,41.889
  Bottom Layer w0.35: v1(-43.146,-15.604) -43.146,-19.628 -43.075,-19.7 -43.075,-31.175 -41.75,-32.5 -41.75,-34.5 -41,-35.25 v1(-39,-35.25)
  Bottom Layer w0.65: v1(-65,0) v1(-64,0) -45.361,0 -45.25,0 ; v1(-65,10) v1(-64,10) -45.361,10 -45.25,10 ; v1(-50.75,16) -45.425,16 -45.361,15.936 ; v1(-50.75,19) -45.474,19 -45.361,18.887
  Bottom Layer w1: v1(-45.361,26.512) v1(-45.361,25.611) -45.361,18.887 -45.361,15.936 -45.361,10 -45.361,0 -45.361,-12.639 v1(-43.146,-14.854) v1(-43.146,-15.604) ; v1(-25.2,35.95) v1(-24.2,35.95) -24.2,28.2 -20,24 v1(0.25,24) ; v1(0.25,19) v1(0.25,24) ; J14.4@34.272,29.21 13.46,29.21 8.25,24 v1(0.25,24)
+5V: J13.49
+24V: J13.51 L2.1 U6.10 U7.T1 U8.T1 U9.T1 U10.T1 | length 110.1
  Top Layer w0.25: L2.1@-48.05,-37.5 v1(-47.25,-37.5) ; L2.1@-48.05,-36.5 v1(-47.25,-36.5) ; L2.1@-48.05,-35.5 v1(-47.25,-35.5)
  Top Layer w0.65: U10.T1@-24.73,-7.223 U6.10@-24.73,-0.77
  Bottom Layer w0.65: v1(-47.25,-37.5) v1(-47.25,-36.5) ; v1(-47.25,-35.5) v1(-47.25,-36.5) ; J13.51@-34.308,-31.74 -34.308,-34.308 -36.5,-36.5 v1(-47.25,-36.5)
  Bottom Layer w1: J13.51@-34.308,-31.74 -31.49,-31.74 -29.99,-30.24 -29.99,-9.24 -27.973,-7.223 U10.T1@-24.73,-7.223 -21.202,-10.75 -14.257,-10.75 U9.T1@-10.73,-7.223 -7.202,-10.75 -0.257,-10.75 U8.T1@3.27,-7.223 6.798,-10.75 13.743,-10.75 U7.T1@17.27,-7.223
+VOP_DAC4: C31.1 C32.2 L2.2 U14.4 | length 17.7
  Top Layer w0.25: L2.2@-50.892,-36.425 L2.2@-50.85,-36.468
  Top Layer w0.35: U14.4@-55,-22.85 C31.1@-55,-36.425 L2.2@-50.892,-36.425
ADC0_CON: J3.1 R1.1 | length 4.5
  Top Layer w0.45: J3.1@-78.75,37.75 -76.514,37.75 -76.25,38.014 -76.25,38.462 -75.986,38.725 -74.975,38.725 R1.1@-74.95,38.75
ADC1_CON: J3.2 R7.1 | length 4.4
  Top Layer w0.45: J3.2@-78.75,34.25 -77.25,35.75 R7.1@-74.95,35.75
ADC2_CON: J6.1 R14.1 | length 4.5
  Top Layer w0.45: J6.1@-78.75,24.75 -76.514,24.75 -76.25,25.014 -76.25,25.462 -75.986,25.725 -74.975,25.725 R14.1@-74.95,25.75
ADC3_CON: J6.2 R19.1 | length 4.4
  Top Layer w0.45: J6.2@-78.75,21.25 -77.25,22.75 R19.1@-74.95,22.75
ADC_ACTIVE_BUSY_0: R23.1 R41.2 U1.17 | length 44.5
  Top Layer w0.25: U1.17@-56.525,21.725 -56.525,22.725 -56,23.25 -44.25,23.25 -41.25,26.25 -41.25,32.75 -39.45,34.55 R23.1@-23.25,34.55 R41.2@-21.75,34.55
ADC_SCL: R12.1 R60.2 U1.19 | length 4.9
  Top Layer w0.25: U1.19@-55.225,21.725 -55.225,20.725 -55,20.5 R60.2@-52.95,20.5 R12.1@-52.95,19
ADC_SDA: R15.1 R61.2 U1.18 | length 7.8
  Top Layer w0.25: U1.18@-55.875,21.725 -55.875,18.875 -54.5,17.5 R61.2@-52.95,17.5 ; R15.1@-52.95,16 R61.2@-52.95,17.5
ADCREF_EXT: J13.46
BOOT_RECOVERY: J13.52
COM_OUT0: J1.2 U7.COM1 U7.COM2 | length 26
  Top Layer w1: J1.2@19.52,-43.893 19.52,-38.98 22.02,-36.48 22.02,-30.273 U7.COM2@24.77,-27.523
  Bottom Layer w1: U7.COM1@17.27,-27.523 U7.COM2@24.77,-27.523
COM_OUT1: J2.2 U8.COM1 U8.COM2 | length 25.6
  Top Layer w1: J2.2@6.52,-43.893 6.52,-38.48 8.02,-36.98 8.02,-30.273 U8.COM2@10.77,-27.523
  Bottom Layer w1: U8.COM1@3.27,-27.523 U8.COM2@10.77,-27.523
COM_OUT2: J4.2 U9.COM1 U9.COM2 | length 25.2
  Top Layer w1: J4.2@-6.48,-43.893 -6.48,-40.73 -5.75,-40 -5.75,-30.043 U9.COM2@-3.23,-27.523
  Bottom Layer w1: U9.COM1@-10.73,-27.523 U9.COM2@-3.23,-27.523
COM_OUT3: J5.2 U10.COM1 U10.COM2 | length 25.2
  Top Layer w1: J5.2@-19.48,-43.893 -19.48,-38.142 -19.98,-37.643 -19.98,-30.273 U10.COM2@-17.23,-27.523
  Bottom Layer w1: U10.COM1@-24.73,-27.523 U10.COM2@-17.23,-27.523
CUR0: R25.1 U3.5 | length 2
  Top Layer w0.35: U3.5@-65.775,2 -65.75,2.025 -65.75,3.95 R25.1@-65.7,4
CUR0_CON+: J7.1 R30.2 R31.2 U3.8 | length 11.9
  Top Layer w0.35: R31.2@-70.8,0.8 -70.6,1 -68.75,1 -68.5,1.25 -68.5,1.795 -68.295,2 U3.8@-67.725,2
  Top Layer w0.65: J7.1@-78.75,0.75 -78.7,0.8 R31.2@-70.8,0.8
CUR0_CON-: J7.2 R30.1 R31.1 U3.1 | length 12.3
  Top Layer w0.35: R31.1@-70.75,-1.85 -68.925,-1.85 -68.75,-2.025 -68.75,-2.75 -68.5,-3 U3.1@-67.725,-3
  Top Layer w0.65: J7.2@-78.75,-2.75 -77.25,-2.75 -76.35,-1.85 R31.1@-70.75,-1.85
CUR1: R28.1 U4.5 | length 2.1
  Top Layer w0.35: R28.1@-65.7,14 -65.75,13.95 U4.5@-65.75,12.025 ; U4.5@-65.75,12.025 U4.5@-65.775,12 U4.5@-65.75,12.025
CUR1_CON+: J8.1 R38.2 R39.2 U4.8 | length 12
  Top Layer w0.35: R39.2@-70.575,11 -68.725,11 -68.475,11.25 -68.475,11.795 -68.27,12 U4.8@-67.7,12
  Top Layer w0.65: J8.1@-78.75,11.75 -77.25,11.75 -76.35,10.85 R38.2@-74.75,10.85 R39.2@-70.75,10.85
CUR1_CON-: J8.2 R38.1 R39.1 U4.1 | length 12
  Top Layer w0.35: R39.1@-70.725,8.15 -68.9,8.15 -68.725,7.975 -68.725,7.25 -68.475,7 U4.1@-67.7,7
  Top Layer w0.65: J8.2@-78.75,8.25 -78.7,8.2 -70.8,8.2 R39.1@-70.75,8.15
CUR_AUX1: J15.1 Q2.2 | length 19.8
  Top Layer w0.45: Q2.2@-68.35,-21.84 -68.3,-21.79 Q2.2@-67.75,-21.79 Q2.2@-65.45,-21.79
  Top Layer w0.85: J15.1@-78.75,-27.5 -78.75,-22.94 -75.849,-20.04 -70.15,-20.04 Q2.2@-68.35,-21.84
CUR_AUX2: J15.3 Q1.2 | length 19.6
  Top Layer w0.45: Q1.2@-68.35,-40.19 Q1.2@-67.75,-40.19 Q1.2@-65.45,-40.19
  Top Layer w0.85: J15.3@-78.75,-34.5 -78.75,-38.74 -75.5,-41.99 -70.15,-41.99 Q1.2@-68.35,-40.19
CUR_DAC_Va: R58.1 U44.1 | length 24.4
  Top Layer w0.25: v1(-56,-34.5) R58.1@-56,-33.55 ; v1(-43.75,-33.5) -43,-32.75 U44.1@-43,-23
  Bottom Layer w0.25: v1(-56,-34.5) -51.75,-34.5 -50.75,-33.5 v1(-43.75,-33.5)
CUR_DAC_Vb: R57.1 U44.2 | length 24.6
  Top Layer w0.25: v1(-54,-35.25) R57.1@-54,-33.5 ; v1(-42.5,-33.75) U44.2@-42.5,-23
  Bottom Layer w0.25: v1(-54,-35.25) -51.75,-35.25 -50.75,-34.25 -43,-34.25 v1(-42.5,-33.75)
DAC_C\S\: R63.2 U44.6 | length 74.3
  Top Layer w0.25: U44.6@-41,-18 v1@-40.228,-18
  Top Layer w0.35: v1@-40.228,-18 v1(-40.2,-18.028) ; v1(-40.173,-15.25) -32,-15.25 -30.75,-16.5 R63.2@30.05,-16.5
  Bottom Layer w0.35: v1(-40.2,-18.028) -40.2,-15.277 v1(-40.173,-15.25)
DAC_DIN: R64.1 U44.8 | length 76.9
  Top Layer w0.25: U44.8@-42,-18 -42,-16.5
  Top Layer w0.35: -42,-16.5 -41.75,-16.25 -39.75,-16.25 -38.325,-17.675 -31.175,-17.675 -30.75,-17.25 -26.036,-17.25 28.25,-17.25 30.05,-19.05 R64.1@30.05,-20.75
DAC_SCKL: R62.2 U44.7 | length 9.3
  Top Layer w0.25: U44.7@-41.5,-18 -41.5,-19.25 -40.2,-20.55 -40.2,-24.7 -40.75,-25.25 -40.75,-26.45 R62.2@-40.7,-26.5